# Allegro board RK_NVR_DEMO_RK3568_DDR4P216SD4_V12_20201221YWQ_final.brd (continued)
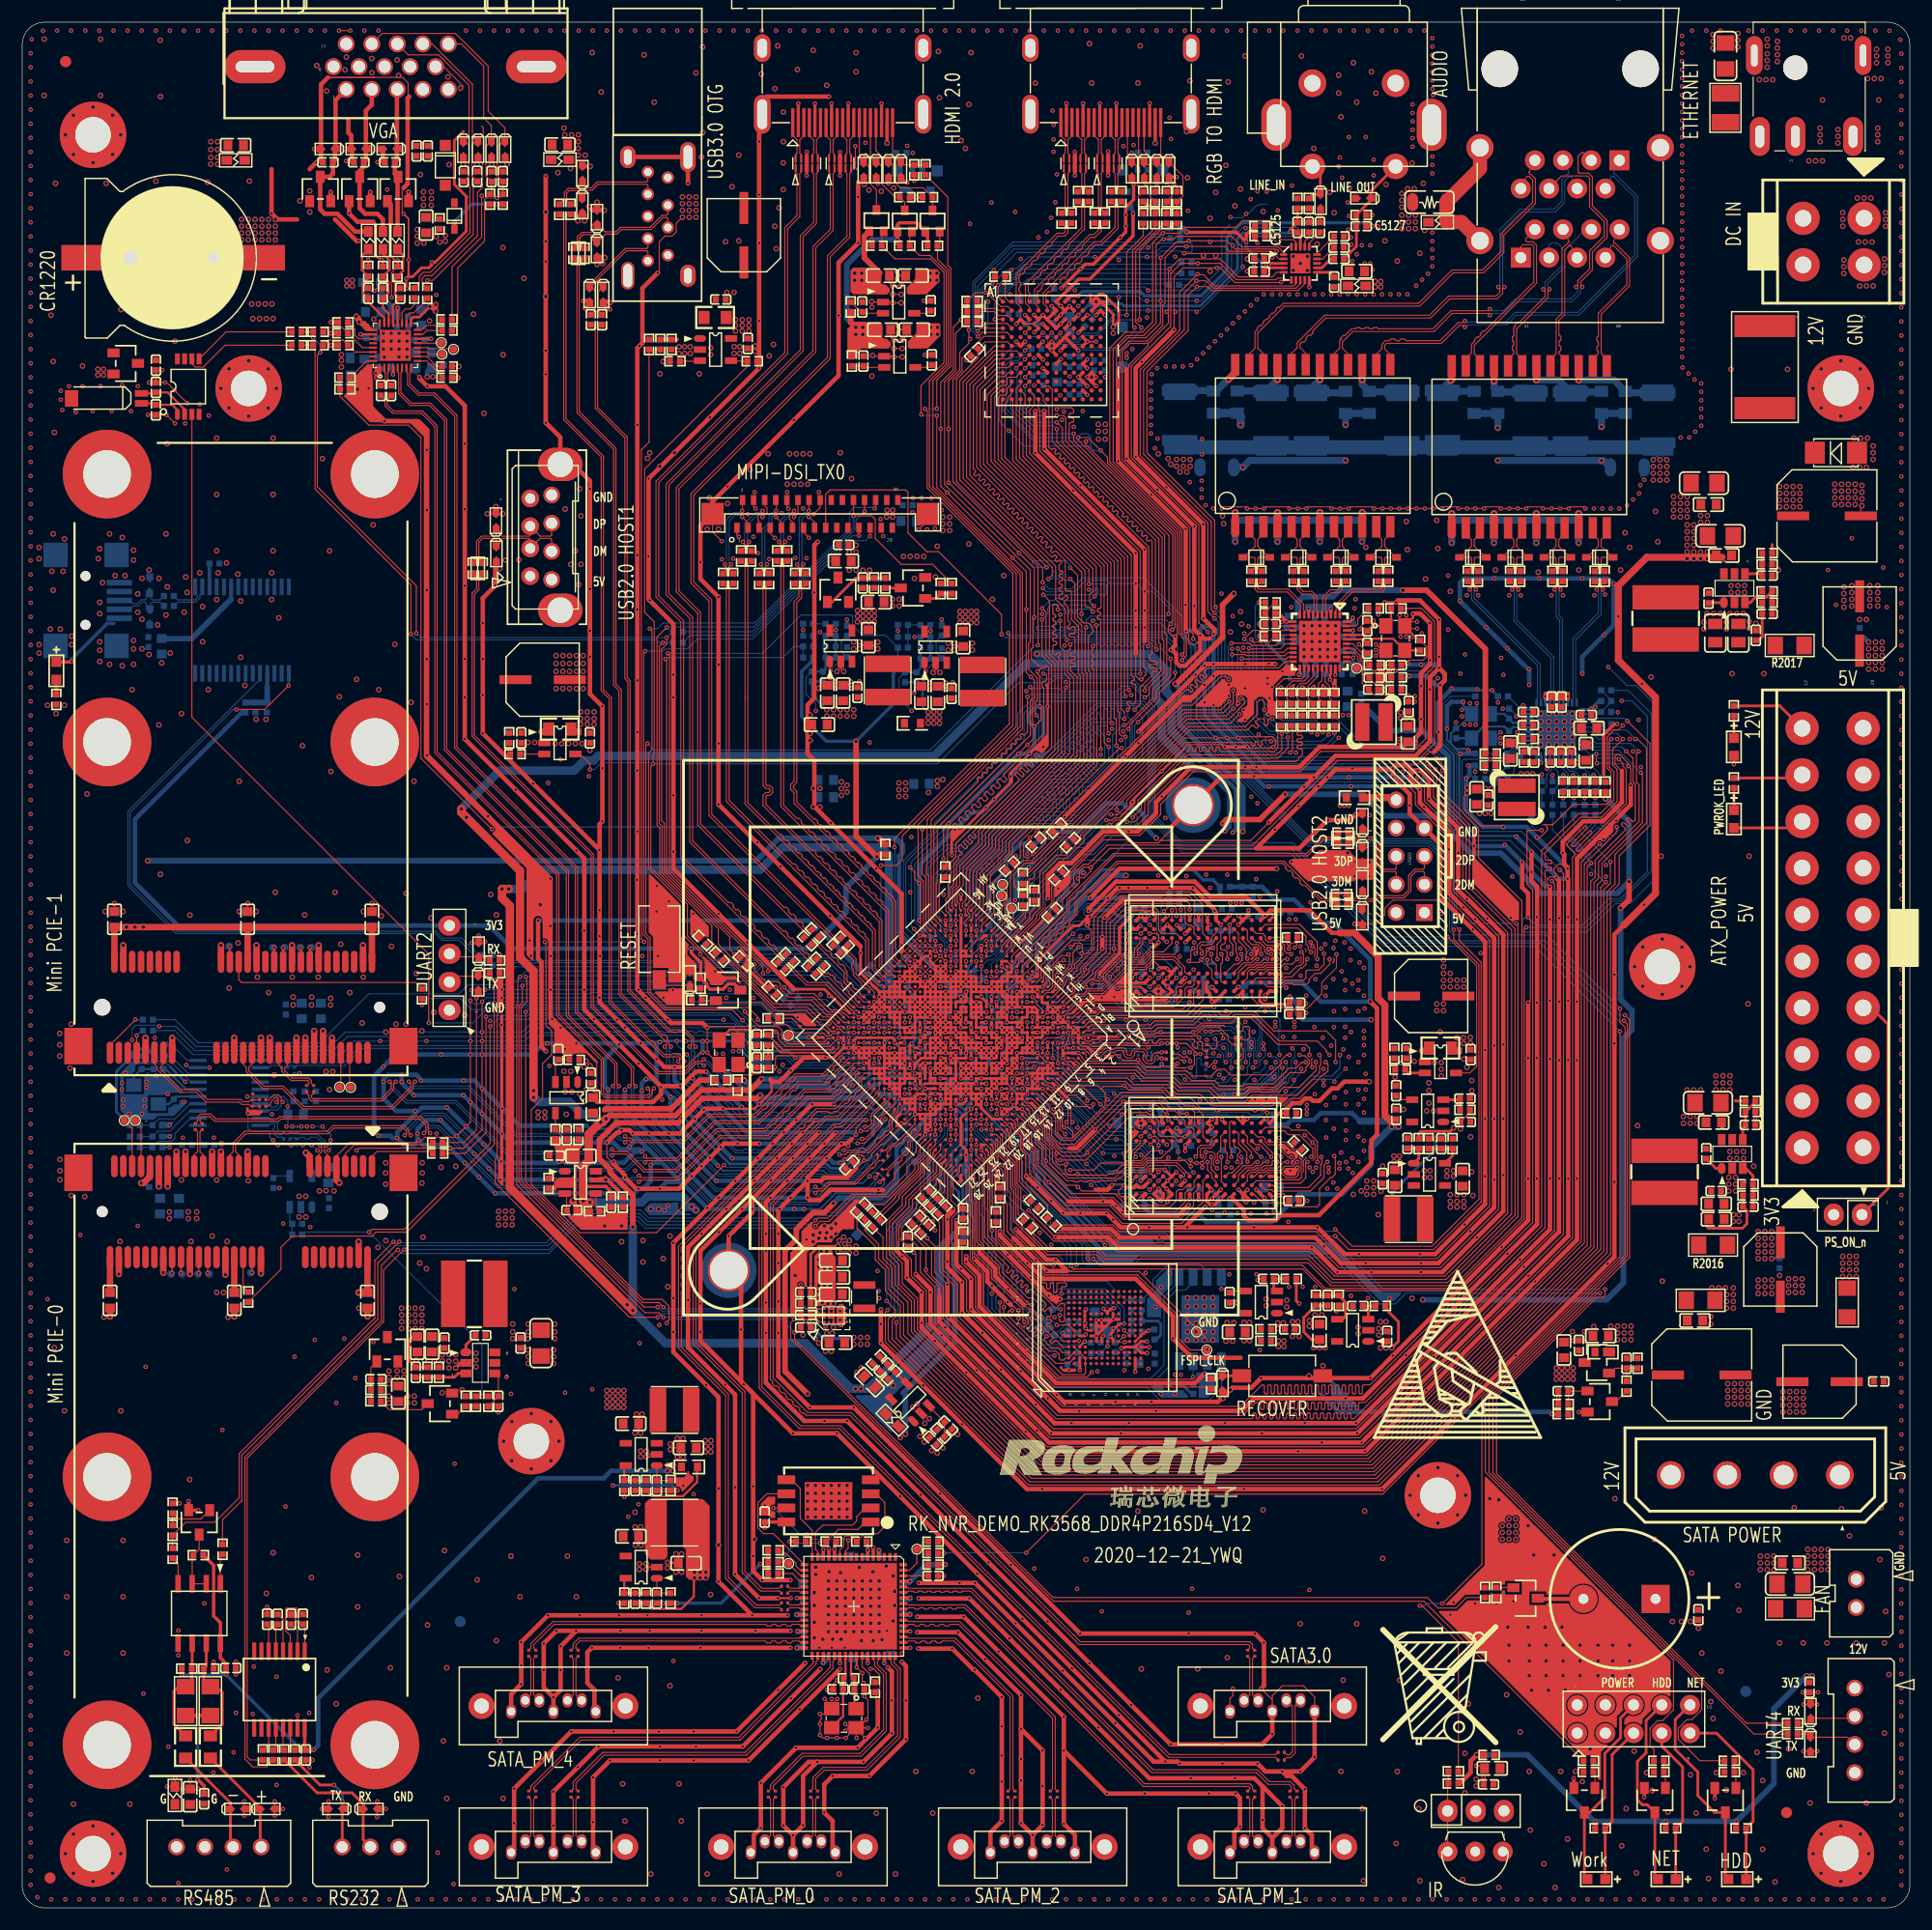
[diagram p0: board, top side]
## Routing (per net, layer and track width the routed paths; a pad name or vN(x,y) marks a point on that pad's centre or on a via; arc(x,y) is an arc through that point) (continued)
USB2_AVDD_1V8: length 10.1
  TOP w0.254: U1000.P9 v1(87.34,81.19)
  BOTTOM w0.152: 86.66,87.94 86.61,87.94 86.12,87.45 86.12,87.4 86.09,87.37
  BOTTOM w0.203: 86.68,87.96 86.66,87.94
  BOTTOM w0.254: R1403.1 87.16,88.45 86.68,87.96 ; 86.09,87.37 85.55,86.84 85.55,85.12 85.2,84.76 85.2,84.37 86.92,82.65 86.92,81.61 v1(87.34,81.19) 87.56,80.97 C1405.1
USB2_HOST2_DM: length 34.8
  TOP w0.102: U1000.R1 90.56,85.05 90.89,85.38 91.11,85.38 91.31,85.58 91.31,85.79 91.5,85.99 91.72,85.99 91.92,86.19 91.92,86.41 92.11,86.6 92.33,86.6 92.53,86.8 92.53,87.02 92.73,87.21 92.94,87.21 93.14,87.41 93.14,87.63 93.34,87.82 93.55,87.82 93.75,88.02 93.75,88.24 93.94,88.42 94.16,88.42 94.38,88.64 94.38,88.87 95.05,89.53 95.05,90.47 98.71,94.13 113.6,94.13 113.83,93.91 113.83,93.69 114.04,93.48 114.26,93.48 114.48,93.26 114.48,93.04 114.69,92.82 114.91,92.82 115.13,92.61 115.13,92.39 115.35,92.17 115.57,92.17 116.96,90.78 117.81,90.78 117.98,90.61 L2502.4
USB2_HOST2_DP: length 34.6
  TOP w0.102: U1000.R2 90.1,84.87 90.41,85.19 94.84,89.62 94.84,90.56 98.62,94.34 113.69,94.34 117.04,90.98 117.81,90.98 117.98,91.16 L2502.2
USB2_HOST2DM: length 11.2
  TOP w0.102: L2502.3 119.78,90.61 119.95,90.78 120.4,90.78 120.55,90.63 120.55,90.12 D2513.1 120.77,89.94 120.87,90.04 120.87,90.63 120.97,90.73 121.77,90.73 122.07,91.03 124.49,91.03 125.12,91.66 125.12,92.98 125.56,93.42 126.24,93.42 126.34,93.32 J2502.3
USB2_HOST2DP: length 11.1
  TOP w0.102: L2502.1 119.78,91.16 119.95,90.98 120.45,90.98 120.55,91.08 120.55,91.5 D2514.1 120.87,91.62 120.87,91.03 120.97,90.93 121.68,90.93 121.99,91.24 124.41,91.24 124.92,91.74 124.92,93.07 125.48,93.62 126.24,93.62 126.34,93.73 J2502.5
USB2_HOST3_DM: length 34.7
  TOP w0.102: U1000.T1 90.1,85.49 90.29,85.69 90.51,85.69 90.71,85.88 90.71,86.1 90.91,86.3 91.12,86.3 91.32,86.49 91.32,86.71 91.52,86.91 91.73,86.91 91.93,87.1 91.93,87.32 92.13,87.52 92.34,87.52 92.54,87.71 92.54,87.93 92.74,88.13 92.95,88.13 93.15,88.33 93.15,88.54 93.36,88.75 93.58,88.75 93.79,88.97 93.79,89.18 94.34,89.73 94.34,90.77 94.54,90.98 94.79,90.98 95,91.19 95,91.44 95.22,91.65 95.46,91.65 95.68,91.87 95.68,92.11 98.4,94.83 115.79,94.83 117.28,96.32 117.95,96.32 118.13,96.14 L2503.4
USB2_HOST3_DP: length 34.5
  TOP w0.102: U1000.T2 89.78,85.01 89.78,85.45 89.95,85.63 94.13,89.81 94.13,90.85 98.31,95.03 115.71,95.03 117.2,96.52 117.95,96.52 118.13,96.69 L2503.2
USB2_HOST3DM: length 9.3
  TOP w0.102: R2532.1 119.47,96.22 119.58,96.32 120.35,96.32 120.55,96.11 120.55,95.71 D2515.1 121.09,95.53 121.19,95.63 121.19,96.22 121.29,96.32 121.58,96.32 122.07,95.83 122.07,93.9 122.55,93.42 123.7,93.42 123.8,93.32 J2502.4
USB2_HOST3DP: length 9.3
  TOP w0.102: J2502.6 123.8,93.73 123.7,93.62 122.63,93.62 122.28,93.98 122.28,95.91 121.67,96.52 121.29,96.52 121.19,96.62 121.19,97.21 121.09,97.31 D2516.1 120.55,97.08 120.55,96.72 120.35,96.52 119.58,96.52 119.47,96.62 R2531.1
USB3_AVDD_0V9: length 3.1
  TOP w0.254: v1(81.36,76.14) 81.14,76.14 80.9,75.9 80.9,75.68 v1(80.9,75.68) 80.9,75.68 U1000.R21 ; v1(81.36,76.14) U1000.R20 ; v1(81.36,76.14) U1000.R21 ; U1000.R21 U1000.P22
USB3_AVDD_1V8: length 7.1
  TOP w0.254: v1(80.45,75.22) U1000.R22 80.91,75.22 v1(80.91,74.76) U1000.P23
  BOTTOM w0.254: C1407.1 80.33,75.1 v1(80.45,75.22) ; C1407.1 80.25,74.88 79.87,74.88 79.11,74.12 ; C1407.1 80.87,74.79 v1(80.91,74.76) 80.97,74.7 C1402.1
  BOTTOM w0.406: 79.11,74.12 78.5,73.51 C1410.1 78.07,73.17 77.86,73.37 R1402.1
USB3_HOST1_DM: length 79.5
  TOP w0.102: v1(61.42,76.48) 61.24,76.3 60.6,76.3 59.69,75.39 57.35,75.39 51.46,81.28 51.46,94.98 40.74,105.7 40.74,118.42 41.15,118.82 41.15,119.69 41.32,119.86 L2501.4 ; v1(79.53,73.38) U1000.P25
  BOTTOM w0.102: v1(61.42,76.48) 61.59,76.3 61.81,76.3 66.48,71.63 66.72,71.63 66.82,71.73 67.13,71.73 67.23,71.63 67.53,71.63 67.63,71.73 67.94,71.73 68.04,71.63 68.35,71.63 68.45,71.73 68.75,71.73 68.85,71.63 69.16,71.63 69.26,71.73 69.57,71.73 69.67,71.63 69.97,71.63 70.07,71.73 70.38,71.73 70.48,71.63 70.78,71.63 70.89,71.73 71.19,71.73 71.29,71.63 71.6,71.63 71.7,71.73 72,71.73 72.11,71.63 72.41,71.63 72.51,71.73 72.82,71.73 72.92,71.63 73.22,71.63 73.32,71.73 73.63,71.73 73.73,71.63 74.04,71.63 74.14,71.73 74.44,71.73 74.54,71.63 74.85,71.63 74.95,71.73 75.25,71.73 75.36,71.63 75.66,71.63 75.76,71.73 76.07,71.73 76.17,71.63 77.39,71.63 77.59,71.83 78.47,71.83 79.86,73.22 79.86,73.36 79.76,73.47 79.61,73.47 v1(79.53,73.38)
USB3_HOST1_DP: length 79.3
  TOP w0.102: v1(61.42,75.92) 61.24,76.1 60.69,76.1 59.77,75.18 57.27,75.18 51.26,81.2 51.26,94.89 40.54,105.61 40.54,118.5 40.95,118.91 40.95,119.69 40.77,119.86 L2501.2 ; v1(79.99,73.84) U1000.P24
  BOTTOM w0.102: v1(61.42,75.92) 61.59,76.1 61.72,76.1 66.4,71.42 77.47,71.42 77.67,71.63 78.55,71.63 80.06,73.14 80.06,73.45 79.9,73.61 79.9,73.75 v1(79.99,73.84)
USB3_HOST1DM: length 12
  TOP w0.102: J2501.2 47.7,123.34 47.6,123.44 46.67,123.44 J2503.2 45.77,123.34 45.67,123.44 43.23,123.44 43.04,123.26 43.04,123.02 D2510.1 42.7,123.34 42.6,123.44 41.49,123.44 41.15,123.11 41.15,121.83 41.32,121.66 L2501.3
USB3_HOST1DP: length 12.3
  TOP w0.102: J2501.3 47.7,123.75 47.6,123.65 46.67,123.65 J2503.3 45.77,123.75 45.67,123.65 43.22,123.65 43.03,123.84 43.03,124.08 D2507.1 42.7,123.75 42.6,123.65 41.4,123.65 40.95,123.19 40.95,121.83 40.77,121.66 L2501.1
USB3_OTG0_DM: length 105.1
  TOP w0.102: U1000.P28 78.61,71.8 78.18,71.37 78.18,70.98 78.08,70.88 78.08,70.57 78.18,70.47 78.18,70.19 78.04,70.05 77.82,70.05 77.61,69.83 77.61,69.71 77.29,69.4 77.07,69.4 76.85,69.18 76.85,68.96 76.19,68.3 76.01,68.3 75.83,68.48 75.52,68.48 75.34,68.3 v1(74.04,68.3) ; R2503.2 50.54,148.7 L2500.4 50.39,148.27 50.19,148.07 50.19,134.87 53.49,131.57 53.49,110.3 53.98,109.81 53.98,82.4 57.69,78.69 57.92,78.69 58.13,78.47 58.13,78.25 58.27,78.11 58.27,77.8 v1(58.44,77.62)
  BOTTOM w0.102: v1(58.44,77.62) 58.27,77.45 58.27,77.24 58.37,77.14 58.37,76.83 58.27,76.73 58.27,76.43 58.37,76.33 58.37,76.02 58.27,75.92 58.27,75.62 58.37,75.51 58.37,75.21 58.27,75.11 58.27,74.35 64.35,68.28 64.97,68.28 65.07,68.38 65.38,68.38 65.48,68.28 65.79,68.28 65.89,68.38 66.19,68.38 66.29,68.28 66.6,68.28 66.7,68.38 67.01,68.38 67.11,68.28 67.41,68.28 67.51,68.38 67.82,68.38 67.92,68.28 68.22,68.28 68.33,68.38 68.63,68.38 68.73,68.28 69.04,68.28 69.14,68.38 69.44,68.38 69.55,68.28 69.85,68.28 69.95,68.38 70.26,68.38 70.36,68.28 70.66,68.28 70.76,68.38 71.07,68.38 71.17,68.28 71.48,68.28 71.58,68.38 71.88,68.38 71.98,68.28 72.29,68.28 72.39,68.38 72.69,68.38 72.8,68.28 73.1,68.28 73.2,68.38 73.51,68.38 73.61,68.28 73.77,68.28 73.79,68.3 v1(74.04,68.3)
USB3_OTG0_DP: length 104.6
  TOP w0.102: v1(57.89,77.62) 58.06,77.8 58.06,78.03 53.78,82.32 53.78,109.73 53.29,110.22 53.29,131.49 49.99,134.79 49.99,148.13 49.84,148.27 L2500.2 49.68,148.7 R2502.2 ; v1(73.65,67.91) 74.15,67.91 74.34,68.09 76.27,68.09 77.81,69.63 77.91,69.63 78.38,70.1 78.38,71.29 78.92,71.82 78.92,72.31 U1000.P27
  BOTTOM w0.102: v1(73.65,67.91) 73.65,67.97 73.55,68.07 64.26,68.07 58.06,74.27 58.06,77.45 v1(57.89,77.62)
USB3_OTG0_SSRXN: length 107.7
  TOP w0.102: R2505.1 48.69,152.66 48.79,152.56 48.79,134.14 52.17,130.76 52.17,109.73 52.88,109.02 52.88,81.6 57.78,76.71 59.17,76.71 59.27,76.61 59.27,76.46 v1(59.11,76.3) ; v1(75.27,68.92) 75.29,68.94 75.88,68.94 77.37,70.43 77.37,71.19 78.61,72.43 U1000.R27
  BOTTOM w0.102: v1(75.27,68.92) 74.91,68.92 74.54,69.29 64.77,69.29 59.28,74.78 59.28,76.13 v1(59.11,76.3)
USB3_OTG0_SSRXP: length 107.6
  TOP w0.102: v1(59.66,76.3) 59.47,76.49 59.47,76.69 59.25,76.91 59.05,76.91 58.95,77.01 58.64,77.01 58.54,76.91 57.86,76.91 57.02,77.75 57.02,77.95 56.81,78.17 56.6,78.17 53.09,81.69 53.09,109.1 52.37,109.81 52.37,130.84 49,134.22 49,152.56 49.1,152.66 R2506.1 ; v1(75.66,69.31) 75.97,69.31 77.17,70.51 77.17,71.28 77.58,71.69 77.58,71.84 77.8,72.06 77.94,72.06 78.15,72.26 U1000.R28
  BOTTOM w0.102: v1(75.66,69.31) 75.64,69.29 74.83,69.29 74.63,69.49 64.85,69.49 64.38,69.97 64.38,70.19 64.16,70.41 63.94,70.41 63.73,70.62 63.73,70.84 63.51,71.06 63.29,71.06 63.08,71.27 63.08,71.49 62.86,71.71 62.64,71.71 62.42,71.92 62.42,72.14 62.21,72.36 61.99,72.36 61.77,72.58 61.77,72.8 61.56,73.01 61.34,73.01 61.12,73.23 61.12,73.45 60.91,73.66 60.69,73.66 60.47,73.88 60.47,74.1 60.25,74.31 60.03,74.31 59.49,74.86 59.49,75.46 59.59,75.56 59.59,75.86 59.49,75.97 59.49,76.13 v1(59.66,76.3)
USB3_OTG0_SSTXN: length 94.5
  TOP w0.102: v1(60.12,77.62) 60.3,77.8 60.3,78.33 59.69,78.94 58.27,78.94 54.57,82.64 54.57,110.54 54.31,110.81 54.31,132.5 51.64,135.17 51.64,142.6 51.54,142.7 C2500.1 ; U1000.T27 78.15,72.89 76.76,71.5 76.76,70.63 76.15,70.02 v1(75.56,70.02)
  BOTTOM w0.102: v1(75.56,70.02) 75.56,70.21 75.45,70.31 65.58,70.31 60.3,75.59 60.3,77.45 v1(60.12,77.62)
USB3_OTG0_SSTXP: length 95.1
  TOP w0.102: v1(75.95,70.41) 76.25,70.41 76.56,70.71 76.56,70.88 76.45,70.98 76.45,71.28 76.56,71.39 76.56,71.59 77.69,72.72 U1000.T28 ; C2501.1 51.94,142.7 51.84,142.6 51.84,135.25 54.51,132.59 54.51,110.89 54.77,110.62 54.77,82.72 58.35,79.15 59.77,79.15 60.5,78.42 60.5,77.8 v1(60.68,77.62)
  BOTTOM w0.102: v1(60.68,77.62) 60.5,77.45 60.5,77.25 60.6,77.15 60.6,76.84 60.5,76.74 60.5,76.43 60.6,76.33 60.6,76.03 60.5,75.93 60.5,75.67 60.69,75.49 60.91,75.49 61.12,75.28 61.12,75.05 61.34,74.84 61.56,74.84 61.77,74.62 61.77,74.4 62.28,73.9 62.5,73.9 62.71,73.69 62.71,73.46 62.93,73.25 63.15,73.25 63.36,73.03 63.36,72.81 63.58,72.6 63.8,72.6 64.02,72.38 64.02,72.16 64.23,71.95 64.45,71.95 64.67,71.73 64.67,71.51 64.88,71.29 65.1,71.29 65.32,71.08 65.32,70.86 65.67,70.51 65.91,70.51 66.01,70.61 66.32,70.61 66.42,70.51 66.73,70.51 66.83,70.61 67.13,70.61 67.23,70.51 67.54,70.51 67.64,70.61 67.95,70.61 68.05,70.51 68.35,70.51 68.45,70.61 68.76,70.61 68.86,70.51 69.16,70.51 69.27,70.61 69.57,70.61 69.67,70.51 69.98,70.51 70.08,70.61 70.38,70.61 70.49,70.51 70.79,70.51 70.89,70.61 71.2,70.61 71.3,70.51 71.6,70.51 71.7,70.61 72.01,70.61 72.11,70.51 72.42,70.51 72.52,70.61 72.82,70.61 72.92,70.51 73.23,70.51 73.33,70.61 73.63,70.61 73.74,70.51 74.04,70.51 74.14,70.61 74.45,70.61 74.55,70.51 74.85,70.51 74.96,70.61 75.26,70.61 75.36,70.51 75.54,70.51 75.64,70.41 v1(75.95,70.41)
USB3_OTG0_VBUSDET: length 130.4
  TOP w0.102: v1(47.09,87.07) 47.19,86.97 47.19,79.55 47.7,79.04 47.7,76.91 46.89,76.1 46.89,72.95 45.87,71.93 45.87,65.23 50.24,60.86 57.15,60.86 v1(63.25,66.95) ; C1400.1 75.2,67.27 75.36,67.44 v1(75.36,67.51) ; R2500.1 R2501.1 56.48,132.12 55.78,131.42 55.78,87.33 v1(56.03,87.07) ; v1(80.91,72.92) U1000.M24
  BOTTOM w0.089: v1(80.91,72.92) 80.69,72.92 78.79,71.02 78.79,70.74
  BOTTOM w0.102: v1(63.25,66.95) 63.45,66.75 72.39,66.75 72.8,66.34 74.22,66.34 75.34,67.46 75.34,67.49 v1(75.36,67.51) 75.39,67.54 75.41,67.54 75.64,67.77 76.05,67.77 78.79,70.51 78.79,70.74 ; v1(47.09,87.07) v1(56.03,87.07)
USB3_OTG0DM: length 11.5
  TOP w0.102: R2503.1 50.59,149.6 L2500.3 50.39,149.96 50.22,150.13 50.22,150.52 50.52,150.83 51.25,150.83 51.35,150.72 51.35,150.4 51.66,150.09 D2504.1 52.56,150.88 53.58,150.88 53.98,151.28 56.65,151.28 57.74,152.37 58.07,152.37 58.18,152.27 J2500.2
USB3_OTG0DP: length 11.9
  TOP w0.102: R2502.1 49.84,149.78 L2500.1 49.84,149.94 50.01,150.11 50.01,150.6 50.44,151.03 51.25,151.03 51.35,151.13 51.35,151.66 51.45,151.76 D2500.1 52.5,151.08 53.49,151.08 53.9,151.49 56.57,151.49 57.65,152.57 58.07,152.57 58.18,152.68 J2500.3
USB3_OTG0SSRXN: length 11
  TOP w0.102: R2505.2 48.84,154.02 48.84,154.64 49.2,154.99 50.06,154.99 50.16,155.09 50.16,155.44 50.45,155.73 D2502.1 50.49,155.33 50.77,155.04 51.28,155.04 51.82,155.57 56.28,155.57 56.38,155.68 J2500.5
USB3_OTG0SSRXP: length 10.7
  TOP w0.102: J2500.6 56.38,155.27 56.28,155.37 51.9,155.37 51.37,154.84 50.77,154.84 50.69,154.75 50.69,154.29 D2501.1 50.16,154.34 50.16,154.69 50.06,154.79 49.28,154.79 49.05,154.55 49.05,153.92 R2506.2
USB3_OTG0SSTXN: length 10.7
  TOP w0.102: J2500.8 56.38,149.68 56.28,149.57 54.34,149.57 51.59,146.82 51.59,146.5 D2505.1 51.36,146.02 51.66,145.72 51.66,144.04 C2500.2
USB3_OTG0SSTXP: length 10.3
  TOP w0.102: J2500.9 56.38,149.27 56.28,149.37 54.43,149.37 51.79,146.74 51.79,146.56 D2506.1 52.22,146.02 51.87,145.67 51.87,143.99 C2501.2
USB_HOST_PWREN_H_GPIO0_A5: length 191.1
  TOP w0.102: v1(128.44,87.53) 131.05,84.92 131.05,75.87 130.43,75.26 U2502.4 ; U2501.4 50.27,104.01 51.16,103.12 v1(51.16,102.62) ; U1000.AF25 74.01,78.89 73.66,79.24 73.45,79.24 73.22,79.02 72.93,79.02 72.37,79.58 71.95,79.58 70.66,80.87 67.75,80.87 64.4,84.23 63.33,84.23 59.94,87.62 59.94,90.47 56.64,93.77 56.64,102.92 v1(56.85,103.12) 56.85,104 56.95,104.1 56.95,115.93 56.08,116.79 56.08,129.69 65.34,138.95 R2511.1 63.92,139.42 U2500.4
  BOTTOM w0.102: v1(51.16,102.62) 51.56,102.62 52.17,103.23 56.74,103.23 v1(56.85,103.12) 82.47,103.12 89.79,110.44 92.71,110.44 93.12,110.85 100,110.85 100.72,110.13 101.25,110.13 101.55,109.83 101.55,108.71 102.06,108.2 102.06,98.48 104.52,96.01 114.48,96.01 122.97,87.53 v1(128.44,87.53)
VDD_GPU/NPU: length 76.1
  TOP w0.254: 82.78,75.22 82.74,75.26 v1(82.74,75.68) ; 82.78,75.22 v1(83.2,75.22) ; 82.78,75.22 v1(82.28,75.22) U1000.P20 ; U1000.N19 v1(82.74,75.68) ; U1000.N19 v1(83.2,75.22) ; U1000.N19 v1(83.2,76.11) ; U1000.N19 83.66,75.68 ; v1(82.74,75.68) U1000.P19 ; v1(82.74,75.68) U1000.P20 ; v1(83.2,75.22) U1000.M19 83.66,75.68 ; U1000.U13 v1(84.12,79.81) U1000.T13 ; U1000.U13 v1(84.56,80.27) ; U1000.U13 v1(84.12,80.73) U1000.U12 ; U1000.U13 v1(83.66,80.27) ; U1000.U12 84.58,80.35 84.56,80.32 v1(84.56,80.27) ; U1000.U12 84.58,81.19 U1000.U11 85.04,80.74 85.05,80.73 U1000.U12 ; U1000.R13 v1(84.58,79.35) U1000.T13 ; 83.66,75.68 83.66,75.68 ; v1(84.56,80.27) 84.56,80.25 84.58,80.22 U1000.T13 ; 82.77,76.6 v1(82.79,76.6) ; 82.77,76.6 82.74,76.6 U1000.P19 ; 82.77,76.6 U1000.P18 v1(83.2,76.11) ; U1000.P19 83.18,76.14 v1(83.2,76.11) ; U1000.P19 82.28,76.14 U1000.P20
  POWER w0.089: 77.31,72.21 79.07,72.21 79.71,72.85 ; v1(82.79,76.6) 82.79,77.01 82.42,77.38 82.42,77.65 83.07,78.3 83.07,78.32 84.1,79.35 v1(84.58,79.35)
  POWER w0.102: 77.31,72.21 75.16,72.21 69.14,78.23 69.14,83.21 67.11,85.24 67.11,87.38 69.14,89.41 69.14,102.51 71.5,104.88 v1(71.5,107.9)
  BOTTOM w0.102: C2114.2 70.61,110.91 70.61,109.42 71.5,108.53 v1(71.5,107.9)
  BOTTOM w0.203: v2(72.49,108) 71.15,109.35 C2114.1 72.15,110.55 R2109.1 ; C2114.2 71.15,111.45 R2109.2 72.4,111.69 R2113.1 C2122.1
  vias: v2(72.49,107.42) v2(73.1,108) v2(73.1,107.42) v2(73.71,108) v2(73.71,107.42) v2(73.81,101.5) v2(73.81,100.89) v2(73.81,100.28) v2(74.32,108) v2(74.32,107.42) v2(74.32,101.19) v2(74.32,100.58) v2(74.93,108) v2(74.93,107.42)
VGA_B: length 7.7
  TOP w0.203: U5900.21 33.4,142.87 33.4,144.42 C5911.1 33.95,145.22 33.81,145.22 33.59,145.44 33.59,146.83 R5909.1 34.32,147.56 34.32,149 FB5902.1
VGA_B_CON: length 13
  TOP w0.406: J5900.3 33.76,163.88 D5903.1 33.76,157.53 C5912.1 33.57,156.32 D5912.3 33.82,156 FB5902.2
VGA_DDC_SCL: length 30.1
  TOP w0.102: J5900.15 39.58,168.02 41.58,166.01 41.58,161.34 42.27,160.65 D5905.1 42.11,159.13 41.78,158.8 41.78,156.12 C5916.1 42.29,154.6 R5912.2 41.66,153.97 41.66,150.24 39.24,147.83 39.24,142.7 R5915.2
VGA_DDC_SDA: length 39.3
  TOP w0.102: R5914.2 38.72,147.93 41.4,150.6 v1(41.4,154.33) ; v1(42.77,154.13) 42.96,154.13 R5911.2 C5915.1 42.8,156.12 42.8,158.7 43.23,159.13 D5906.1 43.49,160.45 41.99,161.95 41.99,166.01 39.04,168.96 32.44,168.96 J5900.12
  BOTTOM w0.102: v1(41.4,154.33) 41.6,154.13 v1(42.77,154.13)
VGA_G: length 7.8
  TOP w0.203: FB5901.1 32.5,149.09 33.1,148.49 33.1,147.66 R5908.1 33,146.56 33,145.6 C5905.1 32.5,144.21 33.02,143.69 U5900.22
VGA_G_CON: length 14.8
  TOP w0.406: J5900.2 31.5,162.53 30.97,162 D5901.1 30.97,157.53 C5906.1 30.78,156.94 30.4,156.57 D5911.3 30.4,153.21 30.91,152.7 31.99,152.7 32.5,152.2 FB5901.2
VGA_HSYNC: length 3
  TOP w0.102: U5900.19 34.22,143.81 34.54,144.13 34.95,144.13 35.32,144.49 R5913.1
VGA_HSYNC_CON: length 29.8
  TOP w0.102: R5913.2 35.79,146.48 35.79,147.07 36.16,147.44 36.79,147.44 40.34,150.98 40.34,155.08 C5914.1 40.26,156.09 40.26,158.9 40.03,159.13 D5904.1 40.26,159.66 40.26,164.29 37.52,167.03 34.79,167.03 J5900.13
VGA_R: length 8.1
  TOP w0.203: U5900.23 32.62,143.3 31.18,144.75 C5903.1 30.69,145.59 30.69,146.46 31.18,146.95 R5905.1 30.61,147.63 30.61,148.93 FB5900.1
VGA_R_CON: length 17.4
  TOP w0.406: FB5900.2 30,151.1 28.4,152.7 27.26,152.7 26.85,153.11 D5910.3 27.71,156.04 28,156.33 C5904.1 28.18,157.53 D5900.1 28.24,158.62 28.24,162.96 J5900.1
VGA_SCL: length 2.3
  TOP w0.102: U5900.15 36.1,141.84 36.45,142.19 R5915.1
VGA_SDA: length 2.6
  TOP w0.102: U5900.16 35.99,142.24 36.4,142.65 37.29,142.65 R5914.1
VGA_VSYNC: length 3.2
  TOP w0.102: R5918.1 36.49,144.99 35.28,143.77 34.91,143.77 34.62,143.49 U5900.18
VGA_VSYNC_CON: length 27.8
  TOP w0.102: J5900.14 36.94,168.02 40.56,164.39 40.56,159.62 D5907.1 40.69,159.13 40.54,158.98 40.54,156.08 C5919.1 40.64,155.27 40.64,150.86 36.91,147.13 36.28,147.13 36.04,146.89 36.04,146.44 R5918.2
VREF_DDR4_CA: length 64.6
  TOP w0.3: v1(108.79,63.93) U3301.M1
  TOP w0.305: v1(109.58,83.01) U3300.M1
  TOP w0.406: v2(121.46,81.69) 122.07,81.08 122.07,69.7 121.56,69.19 121.56,67.16 116.84,62.43 113.39,62.43 112.93,61.98 110.49,61.98 110.08,62.38 110.08,62.89 109.04,63.93 v1(108.79,63.93)
  BOTTOM w0.406: v1(108.79,63.93) 108.86,63.86 C3305.1 ; R3322.1 R3321.2 R3323.1 111.71,92.05 112.88,90.88 114.6,90.88 116.69,88.8 118.16,88.8 121.46,85.5 v2(121.46,81.69) 117.02,81.69 115.29,83.41 110.47,83.41 C3306.1 110.07,83.01 v1(109.58,83.01)
XIN24M: length 11.5
  TOP w0.152: U1000.AF28 72.94,77.36 68.53,77.36 R1202.2
  TOP w0.203: Y1200.3 63.73,79.15 65.48,79.15 65.95,78.68 C1202.1 R1202.2
XOUT24M: length 8.4
  TOP w0.102: 73.12,77.09 73.55,77.52 U1000.AF27
  TOP w0.152: 73.12,77.09 68.35,77.09 67.66,77.78 R1202.1
  TOP w0.203: R1200.2 R1202.1
N05451: length 2.6
  TOP w0.254: R3325.2 C3329.1 129.44,72.84 U3302.3
N05479: length 1.6
  TOP w0.089: U3302.4 124.17,72.84 C3330.1
N09455: length 1.5
  TOP w0.102: v1(104.39,89.96) U3300.F9
  BOTTOM w0.102: v1(104.39,89.96) 104.39,90.38 R3313.1
N09471: length 1.4
  TOP w0.102: U3301.F9 v1(103.89,71.24)
  BOTTOM w0.089: v1(103.89,71.24) 104.25,70.88 R3312.1
N14549718: length 2.5
  TOP w0.305: R5001.1 v1(80.5,154.2) R5003.1
  BOTTOM w0.508: v1(80.5,154.2) 79.84,154.86 D5000.2
N16770801: length 2.8
  TOP w0.203: Y1200.1 64.77,75.75 C1201.1 R1200.1
N16788127: length 1.2
  BOTTOM w0.1: 101.73,76.81 101.16,76.81 C3300.1 ; 101.73,76.81 R3300.2 ; 101.73,76.81 R3301.2
N16836371: length 4
  TOP w0.254: R2004.2 156.16,72.65 R2006.1 C2011.1 155.03,70.33 U2000.4
N16836754: length 1.7
  TOP w0.254: U2000.1 152.61,66.65 C2004.1
N16836829: length 4
  TOP w0.254: U2000.3 155.29,66.65 155.95,66 R2007.1 R2005.2 C2007.2
N16838957: length 3.6
  TOP w0.254: U2001.4 156.61,120.25 C2019.1 R2011.1 R2009.2
N16838998: length 1.4
  TOP w0.254: U2001.1 151.99,117.65 C2012.1
N16839057: length 4.9
  TOP w0.254: U2001.3 155.7,117.65 156.21,118.16 157.17,118.16 R2012.1 R2010.2 C2015.2
N16851460: length 1.6
  TOP w0.102: R3315.1 112.45,87.48 U3300.T7
N16851478: length 1.6
  TOP w0.102: U3300.E9 v1(103.59,89.94)
  BOTTOM w0.102: v1(103.59,89.94) 103.59,90.26 R3317.1
N16851904: length 3.2
  TOP w0.1: U3301.T7 112.49,69.04 113.79,69.04 114.47,68.36 R3314.1
N16851922: length 1.2
  TOP w0.102: U3301.E9 v1(103.28,71.05)
  BOTTOM w0.1: R3316.1 102.74,70.68
  BOTTOM w0.102: 102.74,70.68 102.99,70.68 103.28,70.97 v1(103.28,71.05)
N16892171: length 1.7
  TOP w0.254: v1(95.29,48.46) 95.29,49.34 U4000.C2
  BOTTOM w0.305: v1(95.29,48.46) 95.29,48.81 C4009.1
N17070629: length 3.1
  TOP w0.102: U2201.3 48.05,76.2 C2206.1 49.27,76.46 R2202.2
N17071312: length 3.9
  TOP w0.102: U2201.4 48.05,70.16 R2204.1 48.95,69.25 C2204.2 R2203.2
N17076569: length 2.3
  TOP w0.254: R2304.2 C2302.1 112.77,55.89 U2300.3
N17076575: length 1.5
  TOP w0.102: C2303.1 108.94,55.6 U2300.4
N17186928: length 1.8
  TOP w0.102: U2500.3 61.02,139.42 R2512.1
N17187928: length 1.9
  TOP w0.254: R2525.1 124.91,75.26 U2502.3
N17368057: length 7.3
  TOP w0.102: R9001.2 R9000.2 128.43,11.14 J9000.1 IR9000.1
N17371607: length 3.9
  TOP w0.102: R9100.2 41.79,85.73 D9101.1 38.77,85.73 J9100.3
N17371609: length 4
  TOP w0.102: R9101.2 41.84,83.98 D9100.1 39.02,83.98 J9100.2
N17843597: length 5
  TOP w0.203: Y2200.1 11.96,136.52 C2201.1 13.11,136.6 14.64,135.07 U2200.2
N17845297: length 3.9
  TOP w0.203: U2200.1 13.99,135.01 13.51,135.48 C2200.1 11.91,135.62 Y2200.2
N18031326: length 1.2
  BOTTOM w0.102: U6700.31 135.55,104.42 TP6700.1
N18076942: length 1.2
  TOP w0.102: TP6801.1 119.62,112.35 U6800.31
N18256405: length 2.2
  TOP w0.102: U2501.3 47.03,104 R2518.1
N18723455: length 9.9
  TOP w0.254: U9500.7 16.59,21.79 R9508.1 16.36,20.53 R9505.1 17.51,19.93 18.03,19.41 18.03,16.57 R9515.1
N18723469: length 9.8
  TOP w0.254: R9516.1 13.67,16.56 13.67,19.51 14.09,19.93 R9506.1 15.28,20.49 R9503.2 15.32,21.6 U9500.6
N18894390: length 5.4
  TOP w0.102: J9500.2 164.93,17.08 ED9501.1 160.71,16.65 R9500.2
N18894404: length 5.5
  TOP w0.102: R9501.2 160.82,15.66 ED9500.1 164.47,15.38 J9500.3
N19082437: length 6.3
  TOP w0.305: R5912.1 v1(42.75,153.58) R5911.1
  TOP w0.406: v1(38.94,151.99) D5902.2
  BOTTOM w0.305: v1(38.94,151.99) 40.52,153.58 v1(42.75,153.58)
N19111721: length 2.9
  TOP w0.102: U5900.9 36.46,139.44 37.82,138.07 R5910.2
N19111948: length 2.6
  TOP w0.102: R5916.1 37.36,138.95 36.46,139.84 U5900.10
N19112528: length 2.3
  TOP w0.102: U5900.11 36.47,140.24 36.67,140.04 TP5900.1
N19112533: length 3.3
  TOP w0.102: TP5901.1 38.79,140.56 36.65,140.56 36.58,140.64 U5900.12
N19112540: length 2.2
  TOP w0.102: TP5902.1 37.28,141.09 37.23,141.04 U5900.13
N19115554: length 3.2
  TOP w0.102: R5902.2 29.97,142.31 29.97,141.78 30.31,141.44 U5900.27
N19161476: length 6.1
  TOP w0.254: Q5200.1 72.96,117.72 75.12,119.87 C5201.2 R5201.2 R5202.1
N19161494: length 1.4
  TOP w0.254: Q5201.3 79.16,118.97 R5202.2
N19161507: length 2.6
  TOP w0.254: Q5201.1 82.31,118.03 R5204.1 R5203.2
N21503881: length 2.5
  TOP w0.102: C2134.1 R2122.2 71.29,53.19 U2104.A2
N21503903: length 3.1
  TOP w0.203: 73.71,54.36 73.5,54.14 U2104.D4 ; U2104.E3 U2104.D3 U2104.D4 ; U2104.E3 74.16,53.59 74.22,53.64 ; U2104.E3 U2104.E4 ; U2104.D4 U2104.E4 ; U2104.E4 74.16,53.99 74.22,54.05 ; U2104.E4 73.9,54.34 73.91,54.36
N21507132: length 4
  TOP w0.102: R2100.2 C2102.2 52.69,62.79 R2104.1 51.69,63.11 U2100.4
N21507193: length 3.2
  TOP w0.102: R2101.2 47.89,64.39 U2100.3 49.05,64.23 49.05,62.92 C2105.1
N21508579: length 3.9
  TOP w0.102: Q2100.1 143.1,48.21 143.53,48.64 C2131.2 ; C2131.2 R2123.2 ; C2131.2 R2125.1
N21508597: length 1.7
  TOP w0.102: R2125.2 143.61,45.63 Q2101.3
N21508613: length 3.8
  TOP w0.102: R2126.2 R2127.1 C2145.1 141.03,46.57 Q2101.1
N21509666: length 3.7
  TOP w0.102: U2102.5 81.73,115.04 81.81,115.11 v1(81.86,115.11)
  BOTTOM w0.203: R2111.2 C2120.2 R2119.1 81.83,115.09 v1(81.86,115.11) 81.83,115.14 R2115.2
N21509814: length 5.3
  TOP w0.102: U2102.1 81.3,111.54 v1(81.39,111.44)
  BOTTOM w0.102: R2106.2 82.35,114.19 82.35,113.13 C2117.1 82.38,112.17 82.07,112.17 81.39,111.49 v1(81.39,111.44)
N21511913: length 3.2
  BOTTOM w0.102: R2115.1 C2123.1 R2118.1 R2114.2
N21514633: length 3.8
  TOP w0.254: R2103.2 C2104.2 R2105.1 128.88,67.8 U2101.5
N21514783: length 2.5
  TOP w0.254: U2101.1 125.83,67.55 R2102.2 124.84,68.43 C2108.1
N21553015: length 5
  TOP w0.254: R2129.2 C2136.2 R2132.1 119.23,54.6 119.23,53.31 118.97,53.06 U2105.4
N21553058: length 2.5
  TOP w0.254: U2105.3 121.29,53.76 C2141.1 R2128.2
N21554138: length 3.5
  TOP w0.203: U2106.4 78.67,48.31 R2133.1 C2139.2 R2131.2
N21554181: length 3.4
  TOP w0.102: U2106.3 81.7,45.2 C2142.1 83.09,43.75 R2130.2
N21563044: length 4
  TOP w0.102: U5100.D2 88.72,142.82 v1(86.61,142.82) 86.2,142.82 R5105.1
  BOTTOM w0.102: v1(86.61,142.82) 86.59,142.82 86.49,142.93 R5107.1
N21569386: length 3.4
  TOP w0.203: U8302.5 54.25,39.74 R8311.1 C8329.2 R8310.2
N21569522: length 2.6
  TOP w0.102: R8309.2 C8341.1 57.18,38.53 U8302.1
N21569989: length 3.4
  TOP w0.203: R8313.2 C8347.2 R8314.1 54.25,29.58 U8303.5
N21570125: length 2.6
  TOP w0.102: R8312.2 C8359.1 57.18,29.71 U8303.1
N21594460: length 3.5
  TOP w0.102: U8502.4 42.91,47.85 C8518.1 42.01,45.21 R8531.2
N21594592: length 1.9
  TOP w0.254: U8502.1 39.98,50.74 C8514.1
N21594594: length 4.7
  TOP w0.254: C8517.2 R8532.2 R8533.1 38.93,47.82 39.28,48.17 U8502.3
N21597267: length 3.9
  BOTTOM w0.203: U8501.5 13.89,73.13 C8509.1 13.21,72.45 Y8500.1
N21597279: length 2.8
  BOTTOM w0.203: Y8500.3 10.05,74.91 C8510.1 R8524.1
N21597405: length 3.9
  BOTTOM w0.203: U8501.6 14.76,73.78 12.93,75.61 R8524.2
N21597531: length 3.6
  BOTTOM w0.102: R8527.1 13.44,77.83 14.88,76.38 U8501.10
N21599575: length 1.6
  BOTTOM w0.102: C8504.1 22.81,65.97 U8500.4
N21599598: length 2.6
  BOTTOM w0.102: U8500.3 24.11,61.87 R8515.1 R8514.2
N21602136: length 1.3
  TOP w0.102: J8501.30 v1(22.71,86.56)
N21602154: length 1.3
  TOP w0.102: J8501.32 v1(23.51,86.56)
N21602172: length 1.5
  TOP w0.102: J8500.30 v1(16.71,57.2)
